# Altium PCB RFSoC-AMC.PcbDoc (part 5 of 12) (continued)
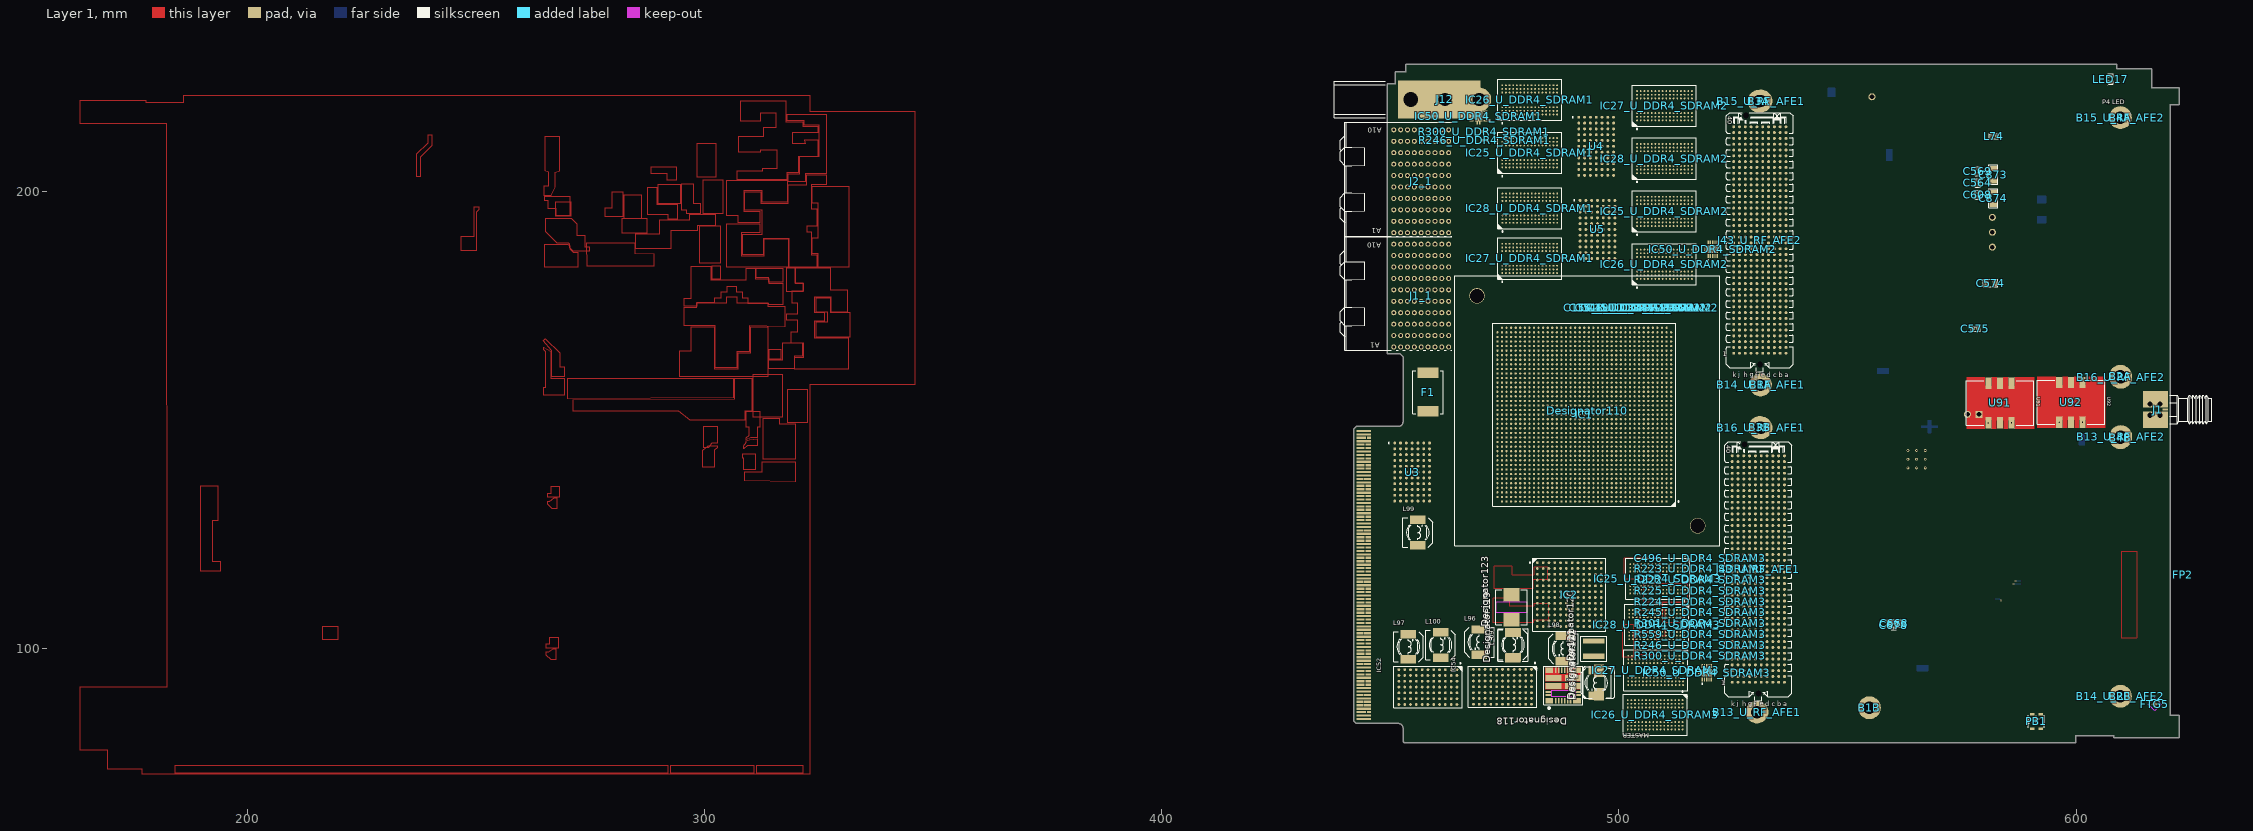
[diagram p0: Layer 1 view]
## Nets (pads, with @x,y where several pads share a name; then routed paths per layer and width w, separated by ;. In a path a pad name is that pad's centre, name@x,y a point inside that pad or via, vN(x,y) a via of type N, cw(c..) or ccw(c..) an arc to the next point about the centre after c; other vN are vias at no path point) (continued)
J43_U_RF_AFE2.f1 J43_U_RF_AFE2.f2 J43_U_RF_AFE2.f3 J43_U_RF_AFE2.f4 J43_U_RF_AFE2.f5 J43_U_RF_AFE2.f6 J43_U_RF_AFE2.f7 J43_U_RF_AFE2.f8 J43_U_RF_AFE2.f9 J43_U_RF_AFE2.f10 J43_U_RF_AFE2.f11 J43_U_RF_AFE2.f12 J43_U_RF_AFE2.f13 J43_U_RF_AFE2.f14 J43_U_RF_AFE2.f15 J43_U_RF_AFE2.f16 J43_U_RF_AFE2.f17 J43_U_RF_AFE2.f18 J43_U_RF_AFE2.f19 J43_U_RF_AFE2.f20 J43_U_RF_AFE2.f21 J43_U_RF_AFE2.f22 J43_U_RF_AFE2.f23 J43_U_RF_AFE2.f24 J43_U_RF_AFE2.f25 J43_U_RF_AFE2.f26 J43_U_RF_AFE2.f29 J43_U_RF_AFE2.f33 J43_U_RF_AFE2.f36 J43_U_RF_AFE2.f40 J43_U_RF_AFE2.g1 J43_U_RF_AFE2.g2 J43_U_RF_AFE2.g3 J43_U_RF_AFE2.g4 J43_U_RF_AFE2.g5 J43_U_RF_AFE2.g6 J43_U_RF_AFE2.g7 J43_U_RF_AFE2.g8 J43_U_RF_AFE2.g9 J43_U_RF_AFE2.g10 J43_U_RF_AFE2.g13 J43_U_RF_AFE2.g14 J43_U_RF_AFE2.g15 J43_U_RF_AFE2.g16 J43_U_RF_AFE2.g17 J43_U_RF_AFE2.g18 J43_U_RF_AFE2.g19 J43_U_RF_AFE2.g20 J43_U_RF_AFE2.g21 J43_U_RF_AFE2.g22 J43_U_RF_AFE2.g25 J43_U_RF_AFE2.g26 J43_U_RF_AFE2.g27 J43_U_RF_AFE2.g30 J43_U_RF_AFE2.g33 J43_U_RF_AFE2.g36 J43_U_RF_AFE2.g40 J43_U_RF_AFE2.h1 J43_U_RF_AFE2.h2 J43_U_RF_AFE2.h3 J43_U_RF_AFE2.h4 J43_U_RF_AFE2.h7 J43_U_RF_AFE2.h8 J43_U_RF_AFE2.h9 J43_U_RF_AFE2.h10 J43_U_RF_AFE2.h11 J43_U_RF_AFE2.h12 J43_U_RF_AFE2.h13 J43_U_RF_AFE2.h14 J43_U_RF_AFE2.h15 J43_U_RF_AFE2.h16 J43_U_RF_AFE2.h19 J43_U_RF_AFE2.h20 J43_U_RF_AFE2.h21 J43_U_RF_AFE2.h22 J43_U_RF_AFE2.h23 J43_U_RF_AFE2.h24 J43_U_RF_AFE2.h25 J43_U_RF_AFE2.h26 J43_U_RF_AFE2.h27 J43_U_RF_AFE2.h28 J43_U_RF_AFE2.h33 J43_U_RF_AFE2.h36 J43_U_RF_AFE2.h40 J43_U_RF_AFE2.j1 J43_U_RF_AFE2.j2 J43_U_RF_AFE2.j3 J43_U_RF_AFE2.j4 J43_U_RF_AFE2.j5 J43_U_RF_AFE2.j6 J43_U_RF_AFE2.j7 J43_U_RF_AFE2.j8 J43_U_RF_AFE2.j9 J43_U_RF_AFE2.j10 J43_U_RF_AFE2.j11 J43_U_RF_AFE2.j12 J43_U_RF_AFE2.j13 J43_U_RF_AFE2.j14 J43_U_RF_AFE2.j15 J43_U_RF_AFE2.j16 J43_U_RF_AFE2.j17 J43_U_RF_AFE2.j18 J43_U_RF_AFE2.j19 J43_U_RF_AFE2.j20 J43_U_RF_AFE2.j21 J43_U_RF_AFE2.j22 J43_U_RF_AFE2.j23 J43_U_RF_AFE2.j24 J43_U_RF_AFE2.j25 J43_U_RF_AFE2.j26 J43_U_RF_AFE2.j27 J43_U_RF_AFE2.j28 J43_U_RF_AFE2.j29 J43_U_RF_AFE2.j30 J43_U_RF_AFE2.j33 J43_U_RF_AFE2.j36 J43_U_RF_AFE2.j40 J43_U_RF_AFE2.k1 J43_U_RF_AFE2.k2 J43_U_RF_AFE2.k3 J43_U_RF_AFE2.k4 J43_U_RF_AFE2.k5 J43_U_RF_AFE2.k6 J43_U_RF_AFE2.k7 J43_U_RF_AFE2.k8 J43_U_RF_AFE2.k9 J43_U_RF_AFE2.k10 J43_U_RF_AFE2.k11 J43_U_RF_AFE2.k12 J43_U_RF_AFE2.k13 J43_U_RF_AFE2.k14 J43_U_RF_AFE2.k15 J43_U_RF_AFE2.k16 J43_U_RF_AFE2.k17 J43_U_RF_AFE2.k18 J43_U_RF_AFE2.k19 J43_U_RF_AFE2.k20 J43_U_RF_AFE2.k21 J43_U_RF_AFE2.k22 J43_U_RF_AFE2.k23 J43_U_RF_AFE2.k24 J43_U_RF_AFE2.k25 J43_U_RF_AFE2.k26 J43_U_RF_AFE2.k27 J43_U_RF_AFE2.k30 J43_U_RF_AFE2.k31 J43_U_RF_AFE2.k32 J43_U_RF_AFE2.k33 J43_U_RF_AFE2.k36 J43_U_RF_AFE2.k40 MSBOX1.6 MSBOX1.7 MSBOX1.8 MSBOX1.9 MSBOX1.10 MSBOX1_U_ADC_PLL1.1 MSBOX1_U_ADC_PLL1.2 MSBOX1_U_ADC_PLL1.3 MSBOX1_U_ADC_PLL1.4 MSBOX1_U_ADC_PLL1.5 MSBOX1_U_ADC_PLL2.1 MSBOX1_U_ADC_PLL2.2 MSBOX1_U_ADC_PLL2.3 MSBOX1_U_ADC_PLL2.4 MSBOX1_U_ADC_PLL2.5 MSBOX2.1 MSBOX2.2 MSBOX2.3 MSBOX2.4 MSBOX2.5 MSBOX2.6 MSBOX2.7 MSBOX2.8 MSBOX2.9 MSBOX2.10 MSBOX2.11 MSBOX2.12 MSBOX2.13 MSBOX2.14 MSBOX2.15 MSBOX2.16 MSBOX2.17 MSBOX2.18 MSBOX2.19 MSBOX2.20 MSBOX3.1 MSBOX3.2 MSBOX3.3 MSBOX3.4 MSBOX3.5 MSBOX3.6 MSBOX3.7 MSBOX3.8 MSBOX3.9 MSBOX3.10 MSBOX3.11 MSBOX3.12 MSBOX3.13 MSBOX3.14 MSBOX3.15 MSBOX3.16 MSBOX3.17 MSBOX3.18 MSBOX3.19 MSBOX3.20 R301_U_DDR4_SDRAM1.1 R301_U_DDR4_SDRAM2.1 R301_U_DDR4_SDRAM3.1 R378.2 R410.2 R473.2 R475.2 R545.2 R562_U_ADC_PLL1.2 R562_U_ADC_PLL2.2 R564_U_ADC_PLL1.1 R564_U_ADC_PLL2.1 R565_U_ADC_PLL1.2 R565_U_ADC_PLL2.2 R583.2 R585.1 R623.2 R624.2 R627.2 R628.2 R631.2 R632.2 R640.2 R641.2 R642.2 R643.2 R645.2 R646.2 R647.2 R650.2 R651.2 R652.2 R654.2 R655.2 R656.2 R657.2 R660.2 R661.2 R662.2 R669.2 U1_U_ADC_PLL1.2 U1_U_ADC_PLL1.4 U1_U_ADC_PLL1.6 U1_U_ADC_PLL1.13 U1_U_ADC_PLL1.14 U1_U_ADC_PLL1.25 U1_U_ADC_PLL1.28 U1_U_ADC_PLL1.31 U1_U_ADC_PLL1.34 U1_U_ADC_PLL1.39 U1_U_ADC_PLL1.40 U1_U_ADC_PLL1.41 U1_U_ADC_PLL2.2 U1_U_ADC_PLL2.4 U1_U_ADC_PLL2.6 U1_U_ADC_PLL2.13 U1_U_ADC_PLL2.14 U1_U_ADC_PLL2.25 U1_U_ADC_PLL2.28 U1_U_ADC_PLL2.31 U1_U_ADC_PLL2.34 U1_U_ADC_PLL2.39 U1_U_ADC_PLL2.40 U1_U_ADC_PLL2.41 U2.2 U2.4 U2.6 U2.13 U2.14 U2.25 U2.28 U2.31 U2.34 U2.39 U2.40 U2.41 U50.65 U71.7 U72.6 U72.11 U78.5 U78.11 U84.7 U85.2 U85.7 U90.23 U90.65 U91.3 U92.3 U98.1 U98.8 U98.13 U98.16 U98.17 U98.24 U98.32 U98.33 U100.5 U100.11 U101.5 U101.11 U106.1 U106.9 U106.13
  other v1: 563.213,139.548 565.118,139.548 567.023,139.548 563.213,141.453 565.118,141.453 567.023,141.453 563.213,143.358 565.118,143.358 567.023,143.358 601.396,149.523
  other v2: 586.745,114.815
  other v3: 596.316,149.523
REFIN_2594A_C_U_ADC_PLL1_N: C665_U_ADC_PLL1.2 U1_U_ADC_PLL1.9
REFIN_2594A_C_U_ADC_PLL1_P: C664_U_ADC_PLL1.2 U1_U_ADC_PLL1.8
REFIN_2594A_C_U_ADC_PLL2_N: C665_U_ADC_PLL2.2 U1_U_ADC_PLL2.9
REFIN_2594A_C_U_ADC_PLL2_P: C664_U_ADC_PLL2.2 U1_U_ADC_PLL2.8
REFIN_2594C_C_N: C815.2 U2.9
REFIN_2594C_C_P: C814.2 U2.8
RF1_CLKO_A_U_ADC_PLL1_N: C640_U_ADC_PLL1.1 R706_U_ADC_PLL1.2 U1_U_ADC_PLL1.22
RF1_CLKO_A_U_ADC_PLL1_P: C632_U_ADC_PLL1.1 R97_U_ADC_PLL1.1 U1_U_ADC_PLL1.23
RF1_CLKO_A_U_ADC_PLL2_N: C640_U_ADC_PLL2.1 R706_U_ADC_PLL2.2 U1_U_ADC_PLL2.22
RF1_CLKO_A_U_ADC_PLL2_P: C632_U_ADC_PLL2.1 R97_U_ADC_PLL2.1 U1_U_ADC_PLL2.23
RF1_CLKO_B_U_ADC_PLL1_N: C718_U_ADC_PLL1.1 R708_U_ADC_PLL1.2 U1_U_ADC_PLL1.18
RF1_CLKO_B_U_ADC_PLL1_P: C646_U_ADC_PLL1.1 R707_U_ADC_PLL1.1 U1_U_ADC_PLL1.19
RF1_CLKO_B_U_ADC_PLL2_N: C718_U_ADC_PLL2.1 R708_U_ADC_PLL2.2 U1_U_ADC_PLL2.18
RF1_CLKO_B_U_ADC_PLL2_P: C646_U_ADC_PLL2.1 R707_U_ADC_PLL2.1 U1_U_ADC_PLL2.19
RF3_CLKO_A_N: C673.1 R714.2 U2.22
RF3_CLKO_A_P: R713.1 U2.23
RF3_CLKO_B_N: C682.1 R716.2 U2.18
RF3_CLKO_B_P: C675.1 R715.1 U2.19
RTM_FPGA_GTP_Rx0_N: 
RTM_FPGA_GTP_Rx0_P: 
RTM_FPGA_GTP_Rx1_N: 
RTM_FPGA_GTP_Rx1_P: 
RTM_FPGA_GTP_Tx0_N: 
RTM_FPGA_GTP_Tx0_P: 
RTM_FPGA_GTP_Tx1_N: 
RTM_FPGA_GTP_Tx1_P: 
RTM_FPGA_LVDS1_N: 
RTM_FPGA_LVDS1_P: 
RTM_FPGA_LVDS2_N: 
RTM_FPGA_LVDS2_P: 
SCL: 
SCL2_U_RF_AFE1: J43_U_RF_AFE1.j35
SCL2_U_RF_AFE2: J43_U_RF_AFE2.j35
SDA: 
SDA2_U_RF_AFE1: J43_U_RF_AFE1.j34
SDA2_U_RF_AFE2: J43_U_RF_AFE2.j34
STATUS_4208: DS45.2 U90.33
SYNCOUT10_N: 
SYNCOUT10_P: 
SYNCOUT11_N: 
SYNCOUT11_P: 
SYNCOUT20_N: 
SYNCOUT20_P: 
SYNCOUT21_N: 
SYNCOUT21_P: 
TCXO_OUT: R659.1 R660.1 U92.4
TCXO_OUT_ATT: C784.1 R659.2 R661.1 R662.1
ULPI0_RST_B: 
UTIL_1V13: C567.1 C573.1 C873.1 C874.1 U78.9 U78.10 U101.9 U101.10
UTIL_1V13_PGOOD: U78.7 U101.7
UTIL_2V5: C989.1 L74.1
UTIL_2V5_DAV_AVCCAUX_IN: C990.1 C991.1 C992.1 C993.1 L74.2 U72.9 U72.10
UTIL_3V3: C363.1 C364.1 C564.1 C569.1 C577.1 C606.1 C608.1 R376.1 R377.1 U50.3 U50.4 U50.13 U50.17 U50.22 U50.26 U50.29 U50.33 U50.36 U50.39 U50.40 U50.52 U71.6 U78.4 U84.6 U85.6 U101.4
UTIL_3V5: C485.1 U100.9 U100.10
UTIL_3V5_PGOOD: U100.7
VCC1V8_BUS: C361.1 C362.1 U50.32 U50.43 U50.46 U50.49 U50.57 U50.60
VCC_2594A: C642_U_ADC_PLL1.1 C642_U_ADC_PLL2.1 C643_U_ADC_PLL1.1 C643_U_ADC_PLL2.1 C644_U_ADC_PLL1.1 C644_U_ADC_PLL2.1 C645_U_ADC_PLL1.1 C645_U_ADC_PLL2.1 C648_U_ADC_PLL1.1 C648_U_ADC_PLL2.1 C649_U_ADC_PLL1.1 C649_U_ADC_PLL2.1 C650_U_ADC_PLL1.1 C650_U_ADC_PLL2.1 C651_U_ADC_PLL1.1 C651_U_ADC_PLL2.1 C652_U_ADC_PLL1.1 C652_U_ADC_PLL2.1 C962_U_ADC_PLL1.1 C962_U_ADC_PLL2.1 L44_U_ADC_PLL1.2 L44_U_ADC_PLL2.2 R563_U_ADC_PLL1.1 R563_U_ADC_PLL2.1 U1_U_ADC_PLL1.7 U1_U_ADC_PLL1.11 U1_U_ADC_PLL1.15 U1_U_ADC_PLL1.26 U1_U_ADC_PLL1.37 U1_U_ADC_PLL2.7 U1_U_ADC_PLL2.11 U1_U_ADC_PLL2.15 U1_U_ADC_PLL2.26 U1_U_ADC_PLL2.37
VCC_2594C: C345.1 C677.1 C678.1 C679.1 C680.1 C719.1 C720.1 C721.1 C722.1 C723.1 L68.2 R584.1 U2.7 U2.11 U2.15 U2.26 U2.37
VCC_4208_CKO_0: C750.1 C966.1 L56.2 U90.64
VCC_4208_CKO_1: C758.1 C967.1 L57.2 U90.17
VCC_4208_CKO_2: C766.1 C968.1 L59.2 U90.18
VCC_4208_CKO_3: C769.1 C969.1 L60.2 U90.47
VCC_4208_CKO_4: C771.1 C970.1 L61.2 U90.52
VCC_4208_CKO_5: C779.1 C971.1 L62.2 U90.57
VCC_4208_CLKO: C752.1 C753.1 C754.1 C965.1 C972.1 C973.1 C974.1 C975.1 C976.1 L55.2 L56.1 L57.1 L59.1 L60.1 L61.1 L62.1
VCC_4208_PLL: C732.1 C733.1 C734.1 C735.1 C736.1 C739.1 C740.1 C741.1 C744.1 C748.1 C977.1 C980.1 C982.1 L52.2 L53.1 L54.1 U90.10 U90.24 U90.30 U90.38 U90.43
VCC_4208_PLL1_CP: C745.1 C979.1 L53.2 U90.35
VCC_4208_PLL2_CP: C749.1 C978.1 L54.2 U90.41
VCC_TCXO: R658.1
VCC_TCXO_IN: C782.1 C783.1 R658.2 U92.6
VCC_VCXO: C763.1 C764.1 C765.1 C988.1 L58.2 U91.6
VCCINT_AMS_PGOOD: U72.7
VCCRFA_BUF: C633_U_ADC_PLL1.1 C633_U_ADC_PLL2.1 C635_U_ADC_PLL1.1 C635_U_ADC_PLL2.1 C636_U_ADC_PLL1.1 C636_U_ADC_PLL2.1 C637_U_ADC_PLL1.1 C637_U_ADC_PLL2.1 C638_U_ADC_PLL1.1 C638_U_ADC_PLL2.1 C639_U_ADC_PLL1.1 C639_U_ADC_PLL2.1 C647_U_ADC_PLL1.1 C647_U_ADC_PLL2.1 C963_U_ADC_PLL1.1 C963_U_ADC_PLL2.1 C1006_U_ADC_PLL1.1 C1006_U_ADC_PLL2.1 C1007_U_ADC_PLL1.1 C1007_U_ADC_PLL2.1 C1008_U_ADC_PLL1.1 C1008_U_ADC_PLL2.1 C1009_U_ADC_PLL1.1 C1009_U_ADC_PLL2.1 L43_U_ADC_PLL1.2 L43_U_ADC_PLL2.2 R97_U_ADC_PLL1.2 R97_U_ADC_PLL2.2 R706_U_ADC_PLL1.1 R706_U_ADC_PLL2.1 R707_U_ADC_PLL1.2 R707_U_ADC_PLL2.2 R708_U_ADC_PLL1.1 R708_U_ADC_PLL2.1 U1_U_ADC_PLL1.21 U1_U_ADC_PLL2.21
VCCRFC_BUF: C344.1 C667.1 C669.1 C670.1 C671.1 C672.1 C674.1 C681.1 C1014.1 C1015.1 C1016.1 C1017.1 L65.2 R713.2 R714.1 R715.2 R716.1 U2.21
VCM1_U_RF_AFE1: J43_U_RF_AFE1.f30
VCM1_U_RF_AFE2: J43_U_RF_AFE2.f30
VCM2_U_RF_AFE1: J43_U_RF_AFE1.g29
VCM2_U_RF_AFE2: J43_U_RF_AFE2.g29
VCXO_OUT: R644.1 R645.1 U91.4
VCXO_OUT_ATT: C770.1 R644.2 R646.1 R647.1
VREF64: IC1.AG15
VREF65: IC1.AG13
VREF68: IC1.K14
VREF69: IC1.N16
VREF_66: IC1.AG19
VREF_67: IC1.N18
VRP64: IC1.AT14
VRP65: IC1.AU9
VRP66: IC1.AU22
VRP67: IC1.K23
VRP68: IC1.F7
VRP69: IC1.L16
VTT64: C108_U_DDR4_SDRAM1.1 C108_U_DDR4_SDRAM2.1 C108_U_DDR4_SDRAM3.1 C109_U_DDR4_SDRAM1.1 C109_U_DDR4_SDRAM2.1 C109_U_DDR4_SDRAM3.1 C110_U_DDR4_SDRAM1.1 C110_U_DDR4_SDRAM2.1 C110_U_DDR4_SDRAM3.1 C111_U_DDR4_SDRAM1.1 C111_U_DDR4_SDRAM2.1 C111_U_DDR4_SDRAM3.1 C112_U_DDR4_SDRAM1.1 C112_U_DDR4_SDRAM2.1 C112_U_DDR4_SDRAM3.1 C113_U_DDR4_SDRAM1.1 C113_U_DDR4_SDRAM2.1 C113_U_DDR4_SDRAM3.1 C114_U_DDR4_SDRAM1.1 C114_U_DDR4_SDRAM2.1 C114_U_DDR4_SDRAM3.1 C115_U_DDR4_SDRAM1.1 C115_U_DDR4_SDRAM2.1 C115_U_DDR4_SDRAM3.1 C116_U_DDR4_SDRAM1.1 C116_U_DDR4_SDRAM2.1 C116_U_DDR4_SDRAM3.1 C117_U_DDR4_SDRAM1.1 C117_U_DDR4_SDRAM2.1 C117_U_DDR4_SDRAM3.1 C118_U_DDR4_SDRAM1.1 C118_U_DDR4_SDRAM2.1 C118_U_DDR4_SDRAM3.1 C119_U_DDR4_SDRAM1.1 C119_U_DDR4_SDRAM2.1 C119_U_DDR4_SDRAM3.1 C255_U_DDR4_SDRAM1.1 C255_U_DDR4_SDRAM2.1 C255_U_DDR4_SDRAM3.1 IC50_U_DDR4_SDRAM1.3 IC50_U_DDR4_SDRAM2.3 IC50_U_DDR4_SDRAM3.3 R222_U_DDR4_SDRAM1.1 R222_U_DDR4_SDRAM2.1 R222_U_DDR4_SDRAM3.1 R223_U_DDR4_SDRAM1.1 R223_U_DDR4_SDRAM2.1 R223_U_DDR4_SDRAM3.1 R224_U_DDR4_SDRAM1.1 R224_U_DDR4_SDRAM2.1 R224_U_DDR4_SDRAM3.1 R225_U_DDR4_SDRAM1.1 R225_U_DDR4_SDRAM2.1 R225_U_DDR4_SDRAM3.1 R226_U_DDR4_SDRAM1.1 R226_U_DDR4_SDRAM2.1 R226_U_DDR4_SDRAM3.1 R227_U_DDR4_SDRAM1.1 R227_U_DDR4_SDRAM2.1 R227_U_DDR4_SDRAM3.1 R228_U_DDR4_SDRAM1.1 R228_U_DDR4_SDRAM2.1 R228_U_DDR4_SDRAM3.1 R229_U_DDR4_SDRAM1.1 R229_U_DDR4_SDRAM2.1 R229_U_DDR4_SDRAM3.1 R230_U_DDR4_SDRAM1.1 R230_U_DDR4_SDRAM2.1 R230_U_DDR4_SDRAM3.1 R231_U_DDR4_SDRAM1.1 R231_U_DDR4_SDRAM2.1 R231_U_DDR4_SDRAM3.1 R232_U_DDR4_SDRAM1.1 R232_U_DDR4_SDRAM2.1 R232_U_DDR4_SDRAM3.1 R233_U_DDR4_SDRAM1.1 R233_U_DDR4_SDRAM2.1 R233_U_DDR4_SDRAM3.1 R234_U_DDR4_SDRAM1.1 R234_U_DDR4_SDRAM2.1 R234_U_DDR4_SDRAM3.1 R235_U_DDR4_SDRAM1.1 R235_U_DDR4_SDRAM2.1 R235_U_DDR4_SDRAM3.1 R236_U_DDR4_SDRAM1.1 R236_U_DDR4_SDRAM2.1 R236_U_DDR4_SDRAM3.1 R237_U_DDR4_SDRAM1.1 R237_U_DDR4_SDRAM2.1 R237_U_DDR4_SDRAM3.1 R238_U_DDR4_SDRAM1.1 R238_U_DDR4_SDRAM2.1 R238_U_DDR4_SDRAM3.1 R239_U_DDR4_SDRAM1.1 R239_U_DDR4_SDRAM2.1 R239_U_DDR4_SDRAM3.1 R240_U_DDR4_SDRAM1.1 R240_U_DDR4_SDRAM2.1 R240_U_DDR4_SDRAM3.1 R241_U_DDR4_SDRAM1.1 R241_U_DDR4_SDRAM2.1 R241_U_DDR4_SDRAM3.1 R242_U_DDR4_SDRAM1.1 R242_U_DDR4_SDRAM2.1 R242_U_DDR4_SDRAM3.1 R243_U_DDR4_SDRAM1.1 R243_U_DDR4_SDRAM2.1 R243_U_DDR4_SDRAM3.1 R244_U_DDR4_SDRAM1.1 R244_U_DDR4_SDRAM2.1 R244_U_DDR4_SDRAM3.1 R245_U_DDR4_SDRAM1.1 R245_U_DDR4_SDRAM2.1 R245_U_DDR4_SDRAM3.1 R246_U_DDR4_SDRAM1.1 R246_U_DDR4_SDRAM2.1 R246_U_DDR4_SDRAM3.1
VTUEN_VCO1: C776.2 R648.1 U91.1
  other v1: 585.876,149.39
  other v3: 580.796,149.39